# KiCad board shek-rounded.kicad_pcb (continued)
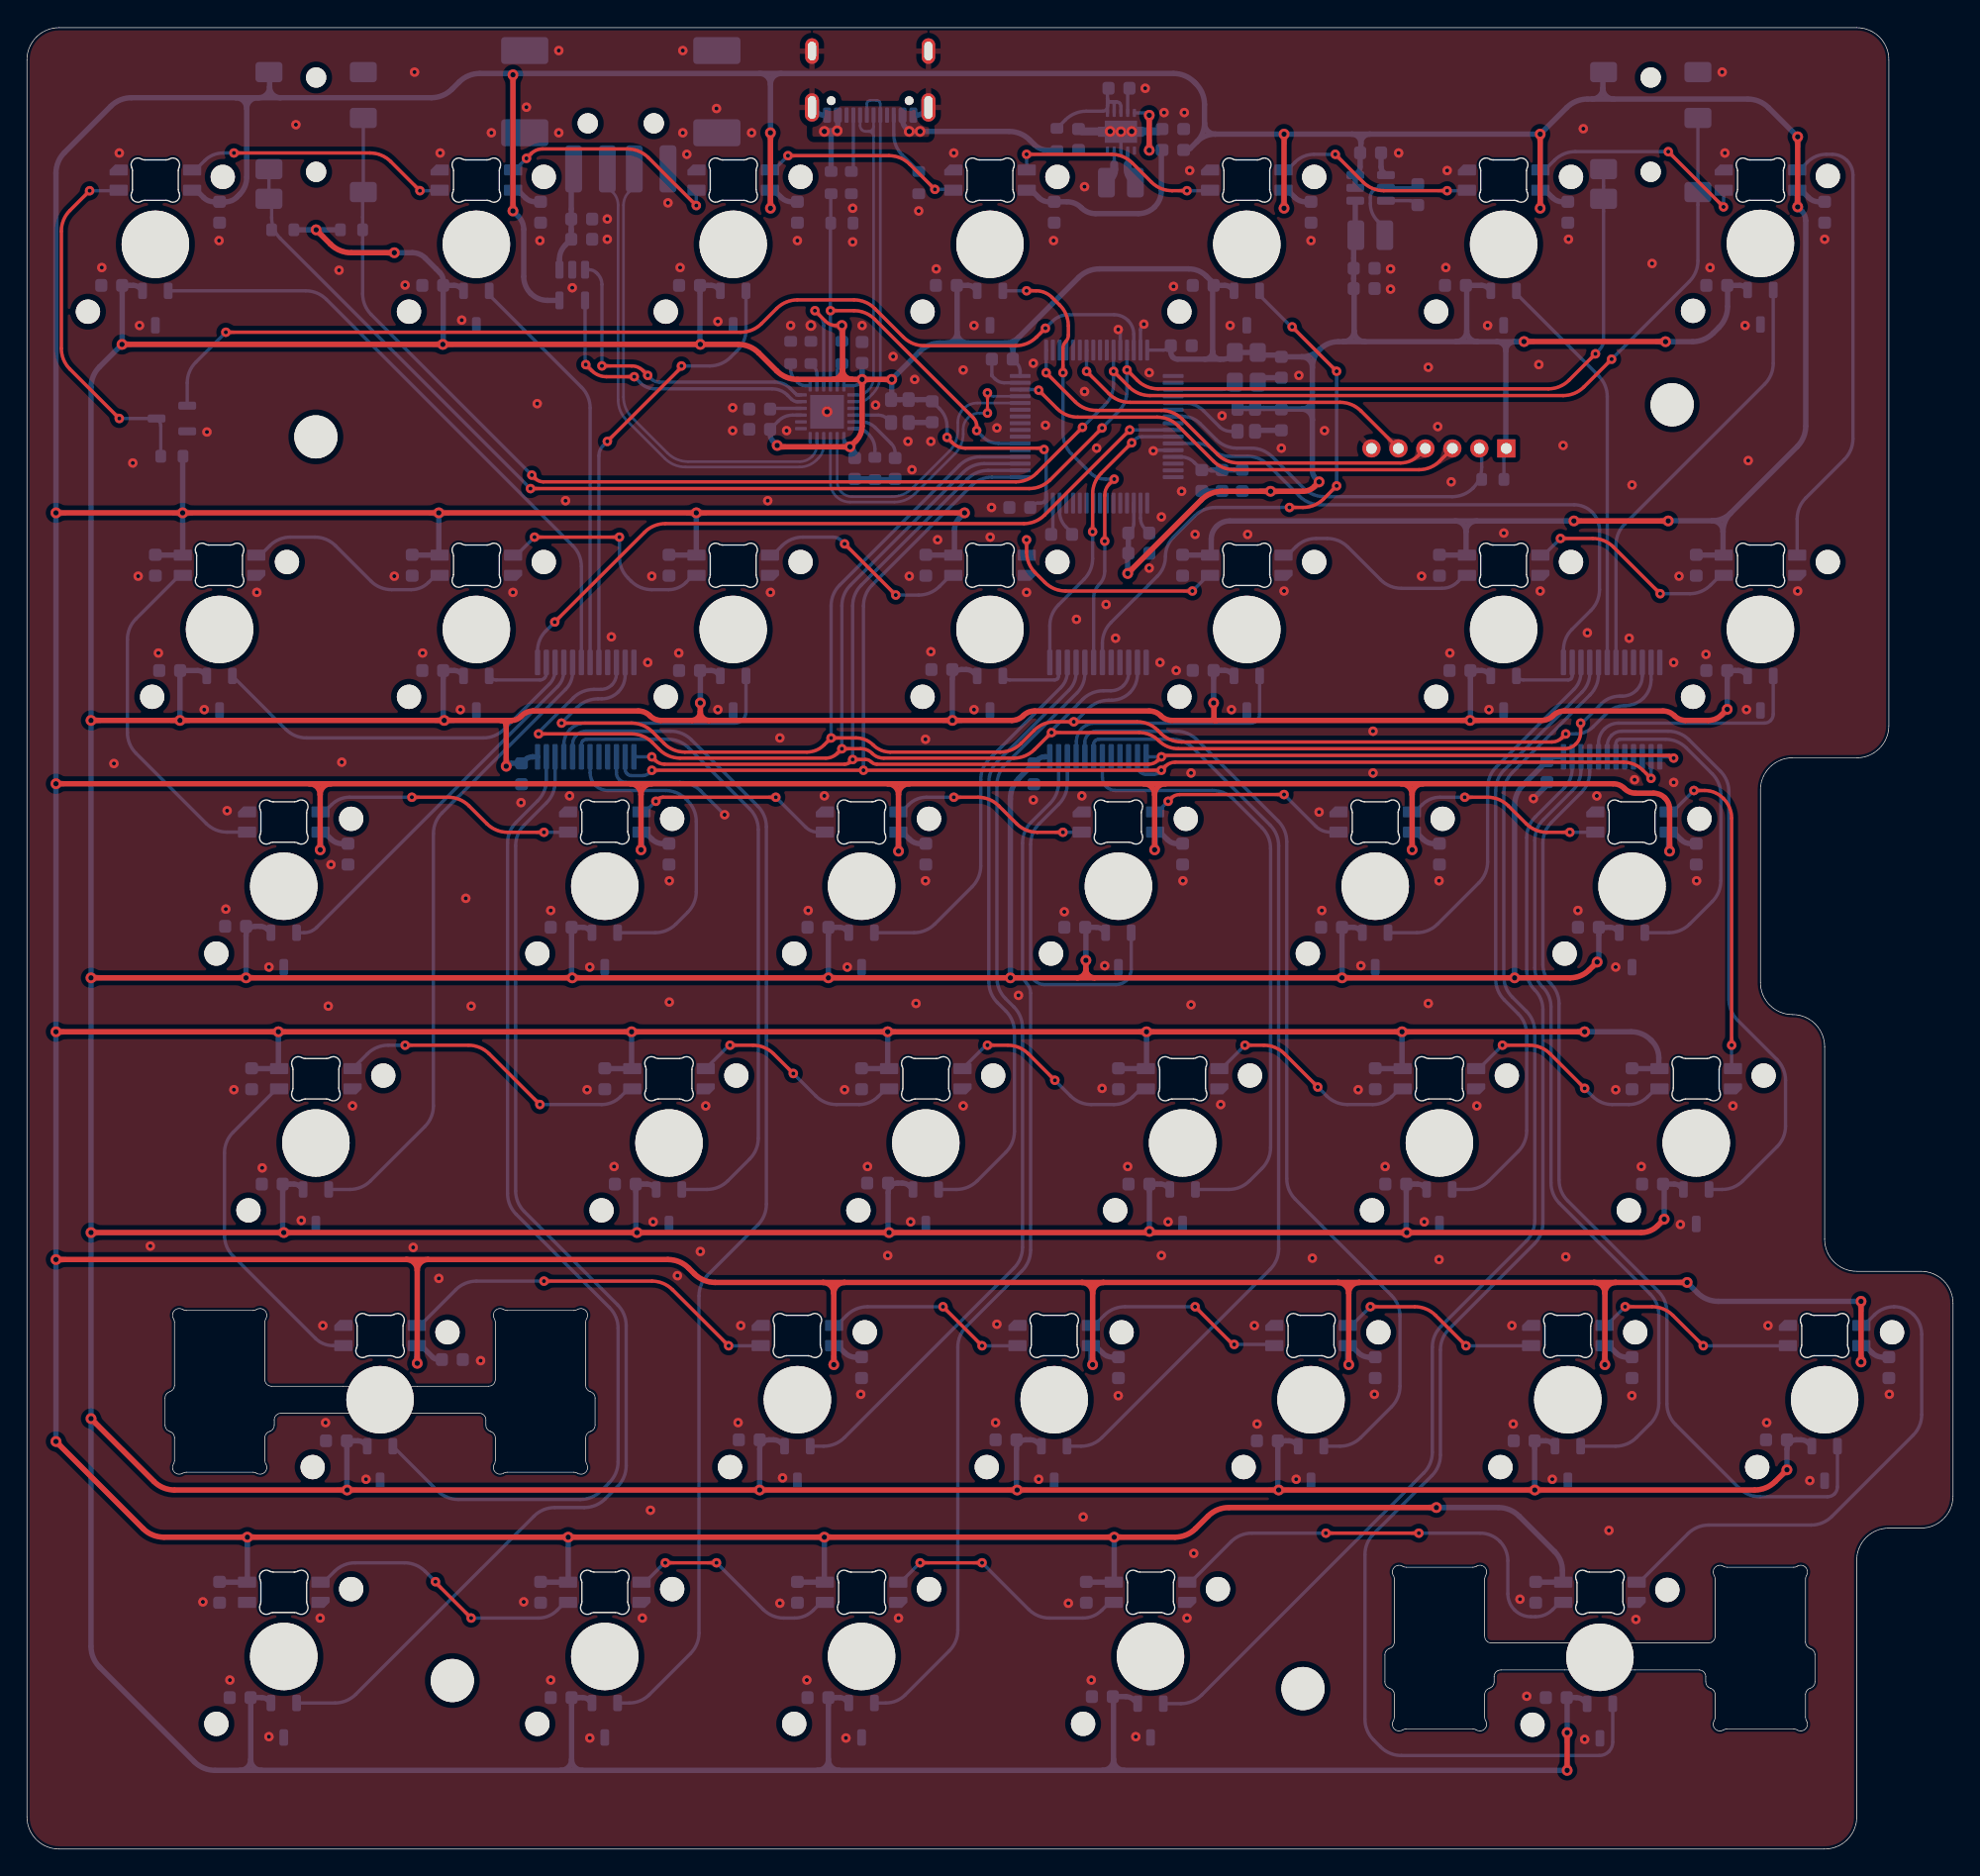
[diagram p0: board, top side]
## Routing (per net, layer and track width the routed paths; a pad name or vN(x,y) marks a point on that pad's centre or on a via; arc(x,y) is an arc through that point) (continued)
/VBUS2: length 7.8
  Bottom w0.4: J2.1 40.46,124.57 arc(40.4,124.47) 40.38,124.36 40.38,120.06 arc(40.26,119.48) 39.94,119 arc(39.61,118.52) 39.5,117.94 U2.1
/VDDA: length 5.4
  Bottom w0.25: U5.13 85.6,103.29 arc(86.13,103.18) 86.58,102.88 86.66,102.8 arc(87.2,102.44) 87.84,102.31
  Bottom w0.4: FB1.1 88.67,102.33 arc(88.66,102.32) 88.66,102.32 arc(88.65,102.31) 88.64,102.31 87.84,102.31
GND: length 48.1
  Bottom w0.25: U5.63 82.6,112.71 arc(82.63,112.87) 82.73,113.01 v1(82.85,113.14) ; U5.31 76.1,97.75 arc(76.08,97.67) 76.04,97.6 C25.2 ; C18.2 82.93,97.96 arc(82.68,98.32) 82.6,98.75 U5.18 ; U5.47 72.49,108.79 arc(72.13,108.86) 71.82,109.06 71.56,109.33 arc(71.56,109.34) 71.56,109.35 arc(71.57,109.36) 71.57,109.38 71.57,110.54 ; v2(81.15,127.41) U3.3 ; v1(80.95,112.74) 81.02,112.66 arc(81.08,112.58) 81.1,112.48 U5.60 ; 81.65,128.81 81.65,130.42 arc(81.67,130.5) 81.71,130.57 C12.2 ; 43.73,81.04 43.73,79.86 arc(43.78,79.59) 43.94,79.35 arc(44.17,79.19) 44.45,79.14 48.45,79.14 arc(49.28,78.97) 49.99,78.5 v1(51.75,76.74) ; v1(83.55,103.74) 83.57,103.76 arc(83.6,103.78) 83.64,103.79 U5.12
  Bottom w0.4: C24.1 91.23,105.26 arc(91.18,105.25) 91.14,105.23 Y2.2 ; C9.2 78.09,127.53 arc(78.19,127.46) 78.3,127.44 ; 64.4,101.65 64.38,101.63 arc(64.35,101.61) 64.31,101.6 62.94,101.6 arc(62.9,101.61) 62.88,101.63 arc(62.85,101.65) 62.81,101.65 61.4,101.65 ; Y1.2 67.11,105.84 arc(67.12,105.84) 67.14,105.85 C1.1 ; C22.2 C23.2 ; J1.B1_A12 66.02,128.65 arc(66.28,128.7) 66.49,128.84 J1.SH2 ; v1(111.75,77.94) 112.67,78.86 arc(112.73,78.95) 112.75,79.05 C55.2 ; Y3.2 91.46,109 arc(91.64,109.12) 91.85,109.16 C26.1 ; J1.A1_B12 59.07,128.65 arc(58.82,128.7) 58.61,128.84 J1.SH1 ; C16.2 100.44,124.82 arc(100.49,124.58) 100.63,124.38 U4.4 ; C11.2 84.12,127.53 arc(84.02,127.46) 83.9,127.44
  Bottom w0.6: 83.9,127.44 v2(81.95,127.44) ; v2(80.35,127.44) 78.3,127.44
  vias: v1(5.55,117.34) v1(6.45,80.54) v1(6.85,125.84) v1(7.85,102.84) v1(8.25,94.44) v1(8.35,113.04) v1(9.15,44.74) v1(9.75,88.74) v1(13.05,18.34) v1(13.15,84.54) v1(13.35,105.14) v1(14.25,119.34) v1(14.75,69.74) v1(14.85,77.04) v1(15.05,12.54) v1(15.35,56.34) v1(17.05,93.24) v1(17.45,50.54) v1(17.95,65.44) v1(17.95,8.34) v1(19.95,127.94) v1(20.35,46.64) v1(21.75,17.14) v1(21.95,38.84) v1(22.15,31.64) v1(22.35,62.54) v1(22.55,73.04) v1(23.15,117.14) v1(23.35,80.64) v1(24.15,55.14) v1(25.15,27.44) v1(27.25,94.44) v1(28.05,116.04) v1(28.65,44.64) v1(28.75,131.84) v1(29.35,88.74) v1(30.55,42.34) v1(30.65,125.84) v1(32.15,84.54) v1(32.25,113.44) v1(32.55,70.54) v1(32.95,62.54) v1(33.65,36.24) v1(34.45,127.34) v1(36.05,93.24) v1(36.65,77.64) v1(36.85,18.34) v1(37.05,129.24) v1(37.85,107.24) v1(38.05,119.34) v1(38.85,69.64) v1(38.85,12.54) v1(39.45,133.44) v1(39.45,127.34) v1(39.95,100.04) v1(40.25,78.14) v1(40.45,115.84) v1(41.55,56.34) v1(41.75,65.44) v1(41.75,8.24) v1(43.05,120.94) v1(43.05,119.44) v1(43.35,89.94) v1(43.55,50.64) v1(45.65,17.14) v1(46.05,88.04) v1(46.25,25.14) v1(46.35,94.44) v1(46.45,46.54) v1(47.55,122.14) v1(47.65,71.84) v1(47.65,62.84) v1(48.25,42.54) v1(48.35,88.74) v1(48.45,117.34) v1(48.65,133.44) v1(48.65,127.34) v1(48.95,125.74) v1(49.95,44.34) v1(50.35,55.14) v1(51.15,129.14) v1(51.25,113.34) v1(51.25,84.54) v1(52.35,106.94) v1(52.35,105.24) v1(52.75,31.64) v1(52.95,38.84) v1(53.75,127.34) v1(54.95,100.04) v1(55.15,93.24) v1(55.85,82.44) v1(55.85,18.24) v1(56.05,27.54) v1(56.35,105.24) v1(56.65,113.04) v1(57.15,119.34) v1(57.85,12.54) v1(57.95,69.64) v1(59.15,78.14) v1(60.65,56.34) v1(60.75,8.24) v1(60.85,65.44) v1(61.25,121.74) v1(61.25,119.24) v1(61.85,33.74) v1(61.95,113.04) v1(62.35,50.64) v1(62.95,107.14) v1(63.85,44.04) v1(64.25,110.74) v1(64.65,17.14) v1(65.35,104.44) v1(65.45,94.44) v1(65.55,46.54) v1(65.65,102.34) v1(65.85,109.04) v1(65.95,62.74) v1(66.15,121.54) v1(66.65,82.34) v1(66.65,71.84) v1(67.05,104.44) v1(67.05,88.84) v1(67.45,117.24) v1(67.55,97.14) v1(68.75,125.84) v1(69.45,109.74) v1(69.45,55.14) v1(70.25,113.04) v1(70.25,84.54) v1(71.45,97.34) v1(71.55,99.54) v1(71.85,31.64) v1(71.95,105.44) v1(71.95,38.94) v1(73.55,63.34) v1(74.15,93.24) v1(74.65,110.24) v1(74.65,77.84) v1(75.05,27.44) v1(75.55,105.64) v1(76.15,119.34) v1(76.95,69.54) v1(77.25,18.24) v1(77.85,91.24) v1(78.25,78.14) v1(78.35,24.64) v1(78.45,123.34) v1(78.45,108.14) v1(78.95,12.54) v1(79.35,103.94) v1(79.75,56.44) v1(79.95,65.54) v1(80.05,92.34) v1(80.75,89.84) v1(80.95,33.64) v1(81.65,50.64) v1(82.25,8.34) v1(82.95,130.64) v1(83.25,109.54) v1(83.25,95.04) v1(84.05,88.04) v1(84.15,98.84) v1(84.15,44.04) v1(84.35,128.84) v1(84.65,46.54) v1(85.05,115.94) v1(85.25,87.44) v1(85.65,100.74) v1(85.75,71.84) v1(85.85,128.84) v1(86.05,17.14) v1(86.25,124.54) v1(86.35,79.84) v1(86.35,62.64) v1(86.55,21.94) v1(86.65,97.54) v1(88.55,55.24) v1(88.65,106.34) v1(89.25,113.04) v1(89.35,84.54) v1(90.55,97.54) v1(91.05,38.84) v1(91.25,31.54) v1(93.05,103.94) v1(93.25,93.34) v1(94.15,27.44) v1(94.35,109.34) v1(95.25,119.34) v1(95.35,43.84) v1(95.85,76.94) v1(96.05,69.64) v1(96.25,105.24) v1(98.75,56.34) v1(98.95,65.54) v1(99.85,82.94) v1(99.85,79.84) v1(99.95,33.74) v1(100.75,50.64) v1(101.15,117.24) v1(101.15,115.74) v1(101.75,125.84) v1(103.45,94.44) v1(103.65,46.54) v1(103.95,109.94) v1(103.95,62.74) v1(104.65,105.54) v1(104.75,71.84) v1(104.75,43.74) v1(105.25,117.34) v1(105.35,124.54) v1(105.55,88.74) v1(105.65,101.44) v1(107.55,55.14) v1(108.35,113.04) v1(108.45,84.54) v1(109.55,97.64) v1(110.15,38.84) v1(110.25,31.54) v1(110.75,18.54) v1(111.25,11.34) v1(112.15,110.14) v1(112.25,93.34) v1(113.15,27.44) v1(113.95,104.14) v1(114.15,43.94) v1(114.35,119.44) v1(115.05,69.64) v1(115.45,127.64) v1(115.55,8.14) v1(115.75,90.24) v1(116.45,78.14) v1(117.35,23.64) v1(117.85,65.44) v1(117.85,56.34) v1(118.85,89.84) v1(119.06,101.2) v1(119.05,33.64) v1(119.25,79.34) v1(119.35,17.04) v1(119.75,50.64) v1(120.55,117.64) v1(122.15,88.04) v1(122.15,79.14) v1(122.55,94.44) v1(122.65,46.34) v1(123.85,71.84) v1(124.55,88.64) v1(124.85,117.34) v1(125.75,131.84) v1(125.95,125.84) v1(126.55,55.14) v1(127.45,113.04) v1(127.55,84.54) v1(127.68,103.02) v1(129.05,31.64) v1(129.15,38.84) v1(131.35,93.34) v1(132.25,27.34) v1(133.35,119.44) v1(138.15,33.74) v2(58.15,113.04) v2(59.35,106.64)
VBUS: length 18.3
  Bottom w0.4: J1.A4_B9 60.15,127.57 arc(60.14,127.54) 60.12,127.51 v2(60.1,127.49) ; v2(60.1,127.49) 59.88,127.49 arc(59.72,127.42) 59.65,127.26 R1.1 ; v2(60.1,127.49) 59.24,127.49 arc(59.2,127.48) 59.18,127.46 v2(59.15,127.44) ; R9.2 76.39,126.03 arc(76.38,126.03) 76.36,126.04 75.76,126.04 arc(75.2,126.15) 74.72,126.47 74.39,126.8 arc(73.68,127.27) 72.85,127.44 v2(66.25,127.44) v2(65.45,127.44) 65.2,127.69 arc(65.01,127.96) 64.95,128.29 J1.B4_A9
VBUS2_EN: length 21.7
  Top w0.25: v1(41.45,110.14) 41.9,109.69 arc(42.4,109.35) 42.99,109.24 v1(45.05,109.24)
  Bottom w0.25: v1(45.05,109.24) 45.5,108.79 arc(46,108.45) 46.59,108.34 55.28,108.34 arc(55.9,108.21) 56.43,107.86 56.72,107.57 arc(56.92,107.43) 57.16,107.39 U1.11 ; U2.4 41.4,110.22 arc(41.41,110.19) 41.43,110.16 v1(41.45,110.14)
VBUS_DET: length 32.6
  Top w0.25: v1(70.45,105.24) 70.45,105.59 arc(70.39,105.91) 70.2,106.18 62.89,113.5 arc(62.18,113.97) 61.35,114.14 v1(59.6,114.14)
  Bottom w0.25: U1.16 v1(59.6,114.14) 59.6,120.59 arc(59.6,120.61) 59.61,120.63 arc(59.62,120.64) 59.62,120.66 59.62,122.77 arc(59.63,122.79) 59.64,122.8 59.65,122.81 ; U5.38 72.07,104.29 arc(71.45,104.41) 70.93,104.76 v1(70.45,105.24)
DN1_D+: length 23.2
  Top w0.2: v1(71.25,106.54) v1(71.25,108.04)
  Bottom w0.2: U5.45 71.68,107.79 arc(71.51,107.82) 71.38,107.91 v1(71.25,108.04) ; v1(71.25,106.54) 70.64,106.54 arc(70.19,106.45) 69.8,106.19 arc(69.54,105.8) 69.45,105.34 69.45,104.99 arc(69.29,104.2) 68.85,103.54 65.89,100.58 arc(65.18,100.1) 64.35,99.94 61.05,99.94 arc(60.5,100.05) 60.02,100.36 arc(59.71,100.83) 59.6,101.39 U1.3
DN1_D-: length 21.3
  Bottom w0.2: U5.44 70.5,107.29 arc(69.95,107.18) 69.48,106.86 arc(69.16,106.39) 69.05,105.84 69.05,105.24 arc(68.88,104.41) 68.41,103.7 65.69,100.98 arc(64.98,100.5) 64.15,100.34 61.21,100.34 arc(60.78,100.42) 60.43,100.66 arc(60.18,101.02) 60.1,101.45 U1.2
DN2_D+: length 35
  Bottom w0.2: J2.3 45.05,123.9 arc(44.95,123.38) 44.65,122.94 arc(44.35,122.49) 44.25,121.97 44.25,107.74 arc(44.42,106.91) 44.89,106.2 47.51,103.58 arc(48.22,103.1) 49.05,102.94 57.32,102.94 arc(57.81,103.03) 58.23,103.31 58.24,103.33 arc(58.51,103.73) 58.6,104.19 U1.5
DN2_D-: length 36.4
  Bottom w0.2: U1.4 59.1,104.14 arc(59,103.63) 58.71,103.19 58.57,103.06 arc(57.99,102.67) 57.31,102.54 48.85,102.54 arc(48.02,102.7) 47.31,103.18 44.49,106 arc(44.02,106.71) 43.85,107.54 43.85,121.97 arc(43.75,122.49) 43.45,122.94 arc(43.15,123.38) 43.05,123.9 J2.2
LED_D: length 27.2
  Top w0.25: v1(4.65,123.04) 3.19,121.58 arc(2.72,120.87) 2.55,120.04 2.55,111.34 arc(2.72,110.51) 3.19,109.8 v1(6.85,106.14)
  Bottom w0.25: LED6.3 6.78,123.06 arc(6.76,123.04) 6.74,123.04 v1(4.65,123.04) ; R13.1 9.93,105.6 arc(9.88,105.81) 9.77,105.98 arc(9.6,106.1) 9.39,106.14 v1(6.85,106.14)
MUX0_A2: length 32.3
  Bottom w0.25: U43.7 117.88,96.76 arc(118.04,97.59) 118.51,98.3 128.9,108.69 arc(129.37,109.39) 129.54,110.23 U12.2
MUX0_A3: length 30.3
  Bottom w0.25: U43.6 117.23,107.76 arc(117.06,108.59) 116.59,109.3 110.56,115.32 arc(110.51,115.41) 110.49,115.51 U11.2
MUX0_A4: length 93.1
  Bottom w0.25: U43.5 116.57,87.15 arc(116.41,86.33) 115.95,85.63 110.19,79.88 arc(109.72,79.17) 109.55,78.34 109.55,64.74 arc(109.72,63.91) 110.19,63.2 111.21,62.18 arc(111.68,61.47) 111.85,60.64 111.85,46.64 arc(111.68,45.81) 111.21,45.1 104.89,38.78 arc(104.42,38.07) 104.25,37.24 104.25,29.44 arc(104.08,28.61) 103.61,27.9 87.14,11.43 arc(86.43,10.95) 85.6,10.79 U41.2
MUX0_A5: length 45.9
  Bottom w0.25: 105.73,48.94 106.9,48.94 arc(107.73,49.1) 108.44,49.58 110.61,51.75 arc(111.08,52.46) 111.25,53.29 111.25,60.44 arc(111.08,61.27) 110.61,61.98 109.59,63 arc(109.12,63.71) 108.95,64.54 108.95,78.54 arc(109.12,79.37) 109.59,80.08 115.35,85.84 arc(115.78,86.47) 115.93,87.23 U43.4
MUX0_A6: length 27.4
  Bottom w0.25: U24.2 103.1,67.99 arc(103.93,68.15) 104.64,68.63 107.71,71.7 arc(108.18,72.41) 108.35,73.24 108.35,78.74 arc(108.52,79.57) 108.99,80.28 114.75,86.04 arc(115.14,86.62) 115.27,87.3 115.27,88.04
MUX0_A7: length 5.4
  Bottom w0.25: U18.2 110.64,86.89 arc(110.8,86.78) 111,86.74 114.33,86.74 arc(114.44,86.76) 114.54,86.83 arc(114.6,86.92) 114.62,87.04 U43.2
MUX0_A8: length 101.3
  Bottom w0.25: U43.23 114.62,80.18 arc(114.47,79.38) 114.02,78.7 111.89,76.58 arc(111.42,75.87) 111.25,75.04 111.25,65.19 arc(111.41,64.4) 111.85,63.74 arc(112.29,63.07) 112.45,62.29 112.45,46.44 arc(112.28,45.61) 111.81,44.9 105.49,38.58 arc(105.02,37.87) 104.85,37.04 104.85,29.24 arc(104.68,28.41) 104.21,27.7 99.89,23.38 arc(99.42,22.67) 99.25,21.84 99.25,9.64 arc(99.42,8.81) 99.89,8.1 100.41,7.58 arc(101.12,7.1) 101.95,6.94 116.64,6.94 arc(117.02,7.01) 117.34,7.23 arc(117.56,7.55) 117.63,7.93 U42.2
MUX0_A9: length 60.1
  Bottom w0.25: U36.2 117.85,29.89 arc(118.68,30.05) 119.39,30.53 120.41,31.55 arc(120.88,32.26) 121.05,33.09 121.05,39.64 arc(120.88,40.47) 120.41,41.18 113.69,47.9 arc(113.22,48.61) 113.05,49.44 113.05,62.49 arc(112.89,63.27) 112.45,63.94 arc(112.01,64.6) 111.85,65.39 111.85,74.84 arc(112.02,75.67) 112.49,76.38 114.64,78.52 arc(115.11,79.23) 115.27,80.06 115.27,81.04
MUX0_A10: length 72
  Bottom w0.25: U37.2 134.3,26.88 arc(134.24,26.59) 134.08,26.35 arc(133.84,26.19) 133.56,26.14 128.55,26.14 arc(127.72,26.3) 127.01,26.78 122.29,31.5 arc(121.82,32.21) 121.65,33.04 121.65,39.84 arc(121.48,40.67) 121.01,41.38 114.29,48.1 arc(113.82,48.81) 113.65,49.64 113.65,62.74 arc(113.49,63.52) 113.05,64.19 arc(112.61,64.85) 112.45,65.64 112.45,74.64 arc(112.62,75.47) 113.09,76.18 115.29,78.37 arc(115.76,79.08) 115.93,79.91 U43.21
MUX0_A11: length 18
  Bottom w0.25: U43.20 116.57,82.04 arc(116.69,82.62) 117.01,83.1 arc(117.5,83.42) 118.07,83.54 128.88,83.54 arc(129.13,83.59) 129.34,83.73 arc(129.49,83.95) 129.54,84.2 U19.2
MUX0_A12: length 47
  Bottom w0.25: U31.2 125.75,48.94 arc(126.58,49.1) 127.29,49.58 129.81,52.1 arc(130.28,52.81) 130.45,53.64 130.45,57.04 arc(130.28,57.87) 129.81,58.58 126.89,61.5 arc(126.42,62.21) 126.25,63.04 126.25,78.44 arc(126.08,79.27) 125.61,79.98 123.29,82.3 arc(122.58,82.77) 121.75,82.94 118.29,82.94 arc(117.88,82.86) 117.54,82.63 arc(117.31,82.28) 117.23,81.87 U43.19
MUX0_A13: length 25
  Bottom w0.25: U25.2 121.8,67.99 arc(122.63,68.15) 123.34,68.63 125.01,70.3 arc(125.48,71.01) 125.65,71.84 125.65,78.24 arc(125.48,79.07) 125.01,79.78 123.09,81.7 arc(122.38,82.17) 121.55,82.34 118.17,82.34 arc(118.06,82.31) 117.96,82.25 arc(117.9,82.15) 117.88,82.04 U43.18
MUX0_COM: length 45
  Bottom w0.25: U43.1 113.98,88.96 arc(114.14,89.79) 114.61,90.5 116.01,91.9 arc(116.48,92.61) 116.65,93.44 116.65,97.86 arc(116.51,98.58) 116.1,99.19 arc(115.49,99.59) 114.77,99.74 95.93,99.74 arc(95.1,99.9) 94.39,100.38 92.07,102.7 arc(91.36,103.17) 90.53,103.34 89.12,103.34 arc(88.5,103.46) 87.98,103.81 arc(87.45,104.16) 86.83,104.29 U5.11
MUX1_A2: length 41.6
  Top w0.25: v1(93.65,99.54) 94.65,99.54 arc(95.48,99.7) 96.19,100.18 v1(97.15,101.14) ; v1(93.85,112.94) v1(97.15,109.64)
  Bottom w0.25: U10.2 91.44,115.45 arc(91.47,115.29) 91.55,115.16 93.76,112.96 arc(93.78,112.94) 93.82,112.94 v1(93.85,112.94) ; U44.7 79.77,89.46 arc(79.94,90.29) 80.41,91 83.85,94.44 arc(84.29,95.1) 84.45,95.89 arc(84.61,96.67) 85.05,97.34 86.61,98.9 arc(87.32,99.37) 88.15,99.54 v1(93.65,99.54) ; v1(97.15,109.64) v1(97.15,101.14)
MUX1_A3: length 34
  Top w0.25: v1(76.85,109.54) 76.85,111.35 arc(76.9,111.62) 77.05,111.84 arc(77.2,112.06) 77.25,112.32 77.25,113.01 arc(77.08,113.84) 76.61,114.55 76.04,115.12 arc(75.5,115.48) 74.85,115.61 v1(74.15,115.61) ; v1(79.95,97.04) 79.95,100.44 arc(80.04,100.9) 80.3,101.29 v1(80.65,101.64)
  Bottom w0.25: v1(80.65,101.64) 80,101.64 arc(79.4,101.76) 78.89,102.1 77.49,103.5 arc(77.02,104.21) 76.85,105.04 v1(76.85,109.54) ; U44.6 79.12,92.83 arc(79.23,93.37) 79.54,93.83 arc(79.84,94.28) 79.95,94.82 v1(79.95,97.04) ; v1(74.15,115.61) U9.2
MUX1_A4: length 68.7
  Bottom w0.25: U44.5 78.48,87.2 arc(78.32,86.43) 77.88,85.77 72.59,80.48 arc(72.12,79.77) 71.95,78.94 71.95,64.64 arc(72.12,63.81) 72.59,63.1 73.21,62.48 arc(73.68,61.77) 73.85,60.94 73.85,44.64 arc(73.68,43.81) 73.21,43.1 60.64,30.53 arc(59.93,30.05) 59.1,29.89 U33.2
MUX1_A5: length 45.7
  Bottom w0.25: U28.2 68.95,48.94 arc(69.78,49.1) 70.49,49.58 72.61,51.7 arc(73.08,52.41) 73.25,53.24 73.25,60.64 arc(73.08,61.47) 72.61,62.18 71.99,62.8 arc(71.52,63.51) 71.35,64.34 71.35,79.14 arc(71.52,79.97) 71.99,80.68 77.29,85.97 arc(77.68,86.57) 77.82,87.28 U44.4
MUX1_A6: length 27.9
  Bottom w0.25: U22.2 65.8,67.99 arc(66.63,68.15) 67.34,68.63 70.11,71.4 arc(70.58,72.11) 70.75,72.94 70.75,79.34 arc(70.92,80.17) 71.39,80.88 76.69,86.18 arc(77.05,86.71) 77.18,87.35 U44.3
MUX1_A7: length 5.4
  Bottom w0.25: U16.2 72.54,86.89 arc(72.7,86.78) 72.9,86.74 76.23,86.74 arc(76.34,86.76) 76.44,86.83 arc(76.5,86.92) 76.52,87.04 U44.2
MUX1_A8: length 76.7
  Bottom w0.25: U40.2 63.71,10.84 arc(64.49,10.99) 65.15,11.43 68.41,14.7 arc(68.88,15.41) 69.05,16.24 69.05,37.24 arc(69.22,38.07) 69.69,38.78 73.81,42.9 arc(74.28,43.61) 74.45,44.44 74.45,63.51 arc(74.37,63.91) 74.15,64.24 arc(73.93,64.57) 73.85,64.96 73.85,74.64 arc(74.02,75.47) 74.49,76.18 75.89,77.57 arc(76.36,78.28) 76.52,79.11 U44.23
MUX1_A9: length 28.2
  Bottom w0.25: U44.22 77.18,79.06 arc(77.01,78.23) 76.54,77.52 75.09,76.08 arc(74.62,75.37) 74.45,74.54 74.45,65.16 arc(74.53,64.77) 74.75,64.44 arc(75.08,64.22) 75.47,64.14 80.78,64.14 arc(81.21,64.22) 81.58,64.47 arc(81.83,64.84) 81.91,65.27 U23.2
MUX1_A10: length 18.7
  Bottom w0.25: U17.2 91.44,84.2 arc(91.39,83.95) 91.24,83.73 arc(91.03,83.59) 90.78,83.54 79.22,83.54 arc(78.69,83.43) 78.25,83.14 arc(77.95,82.69) 77.85,82.17 77.85,81.08 arc(77.85,81.06) 77.84,81.05 U44.21
MUX1_A11: length 71.8
  Bottom w0.25: U44.20 78.48,82.13 arc(78.54,82.44) 78.71,82.7 arc(78.98,82.88) 79.29,82.94 85.25,82.94 arc(86.08,82.77) 86.79,82.3 92.81,76.28 arc(93.28,75.57) 93.45,74.74 93.45,49.75 arc(93.62,48.91) 94.09,48.21 101.21,41.08 arc(101.68,40.37) 101.85,39.54 101.85,34.34 arc(101.68,33.51) 101.21,32.8 98.94,30.53 arc(98.23,30.05) 97.4,29.89 U35.2
MUX1_A12: length 70.5
  Bottom w0.25: U34.2 78.2,29.89 arc(79.03,30.05) 79.74,30.53 92.21,43 arc(92.68,43.71) 92.85,44.54 92.85,74.44 arc(92.68,75.27) 92.21,75.98 86.49,81.7 arc(85.78,82.17) 84.95,82.34 79.51,82.34 arc(79.36,82.31) 79.24,82.23 arc(79.15,82.1) 79.12,81.95 U44.19
MUX1_A13: length 46.1
  Bottom w0.25: U29.2 89.15,48.94 arc(89.98,49.1) 90.69,49.58 91.61,50.5 arc(92.08,51.21) 92.25,52.04 92.25,74.24 arc(92.08,75.07) 91.61,75.78 89.49,77.9 arc(88.78,78.37) 87.95,78.54 80.75,78.54 arc(80.37,78.61) 80.06,78.82 arc(79.85,79.14) 79.77,79.51 U44.18
MUX1_COM: length 21.8
  Top w0.25: v1(81.95,104.34) 79.69,102.08 arc(79.22,101.37) 79.05,100.54 v1(79.05,97.74)
  Bottom w0.25: 85.02,104.76 85.01,104.78 arc(85,104.78) 84.98,104.79 82.72,104.79 arc(82.42,104.73) 82.18,104.56 v1(81.95,104.34) ; U44.1 75.88,90.76 arc(76.04,91.59) 76.51,92.3 78.41,94.2 arc(78.88,94.91) 79.05,95.74 v1(79.05,97.74)
MUX2_A1: length 33.6
  Top w0.25: v1(43.05,104.44) 48.51,109.9 arc(48.54,109.94) 48.55,109.99 v1(48.55,110.04)
  Bottom w0.25: U8.2 53.34,112.73 arc(53.17,111.89) 52.7,111.19 52.19,110.68 arc(51.48,110.2) 50.65,110.04 v1(48.55,110.04) ; v1(43.05,104.44) 42.74,104.13 arc(42.51,103.78) 42.43,103.37 U45.8
MUX2_A2: length 30.6
  Bottom w0.25: U45.7 41.77,106.92 arc(41.61,107.75) 41.14,108.46 34.4,115.2 arc(34.32,115.32) 34.29,115.46 U7.2
MUX2_A3: length 46.6
  Bottom w0.25: U45.6 41.12,95.16 arc(40.96,95.99) 40.49,96.7 22.21,114.97 arc(21.51,115.45) 20.67,115.61 U6.2
MUX2_A4: length 47.7
  Bottom w0.25: U45.5 40.48,87.3 arc(40.34,86.62) 39.95,86.04 30.79,76.88 arc(30.32,76.17) 30.15,75.34 30.15,55.14 arc(29.98,54.31) 29.51,53.6 25.49,49.58 arc(24.78,49.1) 23.95,48.94 U26.2
MUX2_A5: length 28.8
  Bottom w0.25: U45.4 39.82,87.38 arc(39.7,86.76) 39.36,86.24 21.49,68.38 arc(21.06,68.09) 20.55,67.99 U20.2
MUX2_A6: length 28.6
  Bottom w0.25: U45.3 39.18,87.45 arc(39.07,86.91) 38.76,86.45 35.39,83.08 arc(34.68,82.6) 33.85,82.44 20.74,82.44 arc(19.91,82.6) 19.2,83.08 U13.2
MUX2_A7: length 5.4
  Bottom w0.25: U14.2 34.44,86.89 arc(34.6,86.78) 34.8,86.74 38.06,86.74 arc(38.24,86.77) 38.39,86.88 arc(38.49,87.03) 38.52,87.21 U45.2
MUX2_A8: length 76.3
  Bottom w0.25: U32.2 30.46,26.58 arc(31.16,26.1) 32,25.94 41.05,25.94 arc(41.88,26.1) 42.59,26.58 43.21,27.2 arc(43.68,27.91) 43.85,28.74 43.85,38.64 arc(43.68,39.47) 43.21,40.18 36.29,47.1 arc(35.82,47.81) 35.65,48.64 35.65,74.64 arc(35.82,75.47) 36.29,76.18 37.89,77.77 arc(38.36,78.48) 38.52,79.31 U45.23
MUX2_A9: length 88.7
  Bottom w0.25: U45.22 39.18,79.16 arc(39.01,78.33) 38.54,77.62 36.89,75.98 arc(36.42,75.27) 36.25,74.44 36.25,48.84 arc(36.42,48.01) 36.89,47.3 43.81,40.38 arc(44.28,39.67) 44.45,38.84 44.45,28.44 arc(44.28,27.61) 43.81,26.9 42.89,25.98 arc(42.18,25.5) 41.35,25.34 39.15,25.34 arc(38.32,25.17) 37.61,24.7 24.39,11.48 arc(23.68,11) 22.85,10.84 U38.2
MUX2_A10: length 18.5
  Bottom w0.25: U15.2 53.34,84.37 arc(53.27,84.05) 53.09,83.78 arc(52.82,83.6) 52.51,83.54 41.4,83.54 arc(40.8,83.42) 40.29,83.08 arc(39.95,82.56) 39.82,81.96 U45.21
MUX2_A11: length 89.4
  Bottom w0.25: U39.2 44.68,10.84 arc(45.48,11) 46.16,11.45 49.21,14.5 arc(49.68,15.21) 49.85,16.04 49.85,41.04 arc(50.02,41.87) 50.49,42.58 54.21,46.3 arc(54.68,47.01) 54.85,47.84 54.85,75.84 arc(54.68,76.67) 54.21,77.38 49.29,82.3 arc(48.58,82.77) 47.75,82.94 41.46,82.94 arc(41.08,82.86) 40.76,82.65 arc(40.55,82.33) 40.48,81.96 U45.20
MUX2_A12: length 47.9
  Bottom w0.25: U27.2 50.45,48.94 arc(51.28,49.1) 51.99,49.58 53.61,51.2 arc(54.08,51.91) 54.25,52.74 54.25,75.64 arc(54.08,76.47) 53.61,77.18 49.09,81.7 arc(48.38,82.17) 47.55,82.34 41.51,82.34 arc(41.36,82.31) 41.24,82.23 arc(41.15,82.1) 41.12,81.95 U45.19
MUX2_A13: length 23.7
  Bottom w0.25: U21.2 46.6,67.99 arc(47.43,68.15) 48.14,68.63 49.01,69.5 arc(49.48,70.21) 49.65,71.04 49.65,76.24 arc(49.48,77.07) 49.01,77.78 48.89,77.9 arc(48.18,78.37) 47.35,78.54 43.1,78.54 arc(42.59,78.64) 42.16,78.93 arc(41.88,79.35) 41.77,79.86 U45.18
MUX2_COM: length 55
  Top w0.25: v1(81.8,105.29) 75.49,98.98 arc(74.78,98.5) 73.95,98.34 47.35,98.34 arc(46.52,98.17) 45.81,97.7 v1(39.15,91.04)
  Bottom w0.25: v1(39.15,91.04) 38.48,90.37 arc(38.03,89.7) 37.88,88.9 U45.1 ; 85.02,105.31 85.01,105.3 arc(85,105.29) 84.98,105.29 v1(81.8,105.29)
MUX_S0: length 133.8
  Top w0.25: 76.05,82.74 76.07,82.76 arc(76.16,82.82) 76.26,82.84 82.5,82.84 arc(83.29,82.68) 83.95,82.24 arc(84.61,81.79) 85.4,81.64 114.06,81.64 arc(114.51,81.73) 114.9,81.99 arc(115.16,82.38) 115.25,82.83 v1(115.25,83.54) ; 76.05,82.74 arc(76.02,82.73) 76,82.76 ; 76.05,82.74 arc(75.99,82.7) 75.93,82.69 ; v1(76,82.84) 76,82.76 ; 76,82.76 arc(75.98,82.71) 75.93,82.69 ; v1(37.95,82.74) 44.85,82.74 arc(45.68,82.57) 46.39,82.1 46.91,81.58 arc(47.62,81.1) 48.45,80.94 59.26,80.94 arc(59.71,81.03) 60.1,81.29 v1(60.45,81.64) 61.86,81.64 arc(62.31,81.55) 62.7,81.29 arc(63.09,81.03) 63.54,80.94 73.2,80.94 arc(74.03,81.1) 74.74,81.58 75.8,82.63 arc(75.86,82.67) 75.93,82.69
  Bottom w0.25: v1(37.95,82.74) 37.95,82.79 arc(37.96,82.83) 37.99,82.87 40.51,85.4 arc(41.22,85.87) 42.05,86.04 42.57,86.04 arc(43.01,86.13) 43.39,86.38 arc(43.64,86.75) 43.73,87.19 43.73,88.04 ; 81.73,88.04 81.73,87.26 arc(81.62,86.75) 81.34,86.33 arc(80.91,86.04) 80.4,85.94 79.85,85.94 arc(79.02,85.77) 78.31,85.3 76.05,83.04 arc(76.01,82.98) 76,82.91 v1(76,82.84) ; v1(60.45,81.64) 60.45,92.24 arc(60.62,93.07) 61.09,93.78 69.46,102.15 arc(70.17,102.62) 71,102.79 U5.35 ; U43.10 119.82,87.03 arc(119.71,86.46) 119.39,85.98 arc(118.9,85.65) 118.33,85.54 118.15,85.54 arc(117.41,85.39) 116.78,84.97 115.39,83.57 arc(115.35,83.55) 115.3,83.54 v1(115.25,83.54)
MUX_S1: length 130
  Top w0.25: v1(39.65,83.54) 44.85,83.54 arc(45.68,83.37) 46.39,82.9 47.26,82.03 arc(47.97,81.55) 48.8,81.39 57.86,81.39 arc(58.54,81.52) 59.12,81.91 v1(59.65,82.44) 61.51,82.44 arc(62.19,82.3) 62.77,81.91 arc(63.36,81.52) 64.04,81.39 72.2,81.39 arc(73.03,81.55) 73.74,82.03 74.71,83 arc(75.42,83.47) 76.25,83.64 77.48,83.64 arc(77.54,83.65) 77.6,83.69 77.61,83.7 arc(77.64,83.71) 77.65,83.69 v1(77.65,83.64) 82.35,83.64 arc(83.18,83.47) 83.89,83 84.11,82.78 arc(84.82,82.3) 85.65,82.14 113.13,82.14 arc(113.52,82.22) 113.85,82.44 v1(114.15,82.74)
  Bottom w0.25: v1(59.65,82.44) 59.65,92.24 arc(59.82,93.07) 60.29,93.78 69.16,102.65 arc(69.87,103.12) 70.7,103.29 U5.36 ; v1(114.15,82.74) 114.9,82.74 arc(115.59,82.88) 116.18,83.27 117.18,84.27 arc(117.81,84.69) 118.55,84.84 118.55,84.84 arc(119.29,84.98) 119.91,85.4 arc(120.33,86.02) 120.48,86.76 U43.11 ; v1(39.65,83.54) 40.81,84.7 arc(41.52,85.17) 42.35,85.34 42.63,85.34 arc(43.29,85.47) 43.86,85.85 arc(44.24,86.42) 44.38,87.09 U45.11 ; U44.11 82.38,87.16 arc(82.23,86.42) 81.81,85.8 arc(81.19,85.38) 80.45,85.24 80.25,85.24 arc(79.42,85.07) 78.71,84.6 77.79,83.67 arc(77.75,83.65) 77.7,83.64 v1(77.65,83.64)
MUX_S2: length 110.7
  Top w0.25: v1(120.48,79.44) 119.88,80.04 arc(119.21,80.48) 118.43,80.64 85.17,80.64 arc(84.78,80.56) 84.45,80.34 v1(84.15,80.04) v1(46.35,80.04)
  Bottom w0.25: v1(84.15,80.04) 84,79.89 arc(83.83,79.78) 83.64,79.74 83.02,79.74 arc(82.77,79.79) 82.56,79.93 arc(82.42,80.13) 82.38,80.38 U44.14 ; v1(46.35,80.04) 46.15,79.84 arc(45.93,79.69) 45.67,79.64 44.84,79.64 arc(44.66,79.67) 44.51,79.78 arc(44.41,79.93) 44.38,80.11 U45.14 ; v1(62.05,80.04) 62.05,92.24 arc(62.22,93.07) 62.69,93.78 70.06,101.15 arc(70.77,101.62) 71.6,101.79 U5.33 ; v1(120.48,79.44) U43.14
MUX_S3: length 108.3
  Top w0.25: v1(122.15,80.94) 122.05,81.04 arc(121.94,81.11) 121.81,81.14 84.32,81.14 arc(84.26,81.12) 84.2,81.09 v1(84.15,81.04) 83.88,80.76 arc(83.57,80.56) 83.21,80.49 63.05,80.49 arc(62.82,80.53) 62.62,80.66 arc(62.43,80.79) 62.2,80.84 v1(61.25,80.84) 61.07,80.66 arc(60.88,80.53) 60.65,80.49 47.29,80.49 arc(46.93,80.56) 46.62,80.76 v1(46.35,81.04)
  Bottom w0.25: v1(122.15,80.94) 122.1,80.99 arc(122.04,81.02) 121.98,81.04 U43.13 ; v1(84.15,81.04) U44.13 ; v1(46.35,81.04) U45.13 ; U5.34 71.3,102.29 arc(70.47,102.12) 69.76,101.65 61.89,93.78 arc(61.42,93.07) 61.25,92.24 v1(61.25,80.84)
NRST: length 27.7
  Bottom w0.25: 85.02,106.26 85.04,106.28 arc(85.05,106.28) 85.07,106.29 85.77,106.29 arc(86.44,106.15) 87.01,105.77 88.21,104.58 arc(88.92,104.1) 89.75,103.94 90.83,103.94 arc(91.66,103.77) 92.37,103.3 94.69,100.98 arc(95.4,100.5) 96.23,100.34 105.73,100.34 arc(106.56,100.5) 107.27,100.98 107.27,100.98 arc(107.74,101.69) 107.91,102.52 107.91,103.62 arc(107.89,103.73) 107.82,103.83 J4.2
OCS2: length 23.4
  Top w0.25: v1(42.65,110.04) 44.86,110.04 arc(45.31,109.95) 45.7,109.69 v1(46.05,109.34)
  Bottom w0.25: v1(42.65,110.04) 42.65,116.09 arc(42.57,116.5) 42.33,116.86 42.23,116.96 arc(41.99,117.12) 41.71,117.18 U2.3 ; v1(46.05,109.34) 46.3,109.09 arc(46.58,108.9) 46.9,108.84 55.48,108.84 arc(56.1,108.71) 56.62,108.36 56.99,108 arc(57.11,107.92) 57.26,107.89 U1.12